# Altium PCB PCB1.PcbDoc (part 1 of 4) (continued)
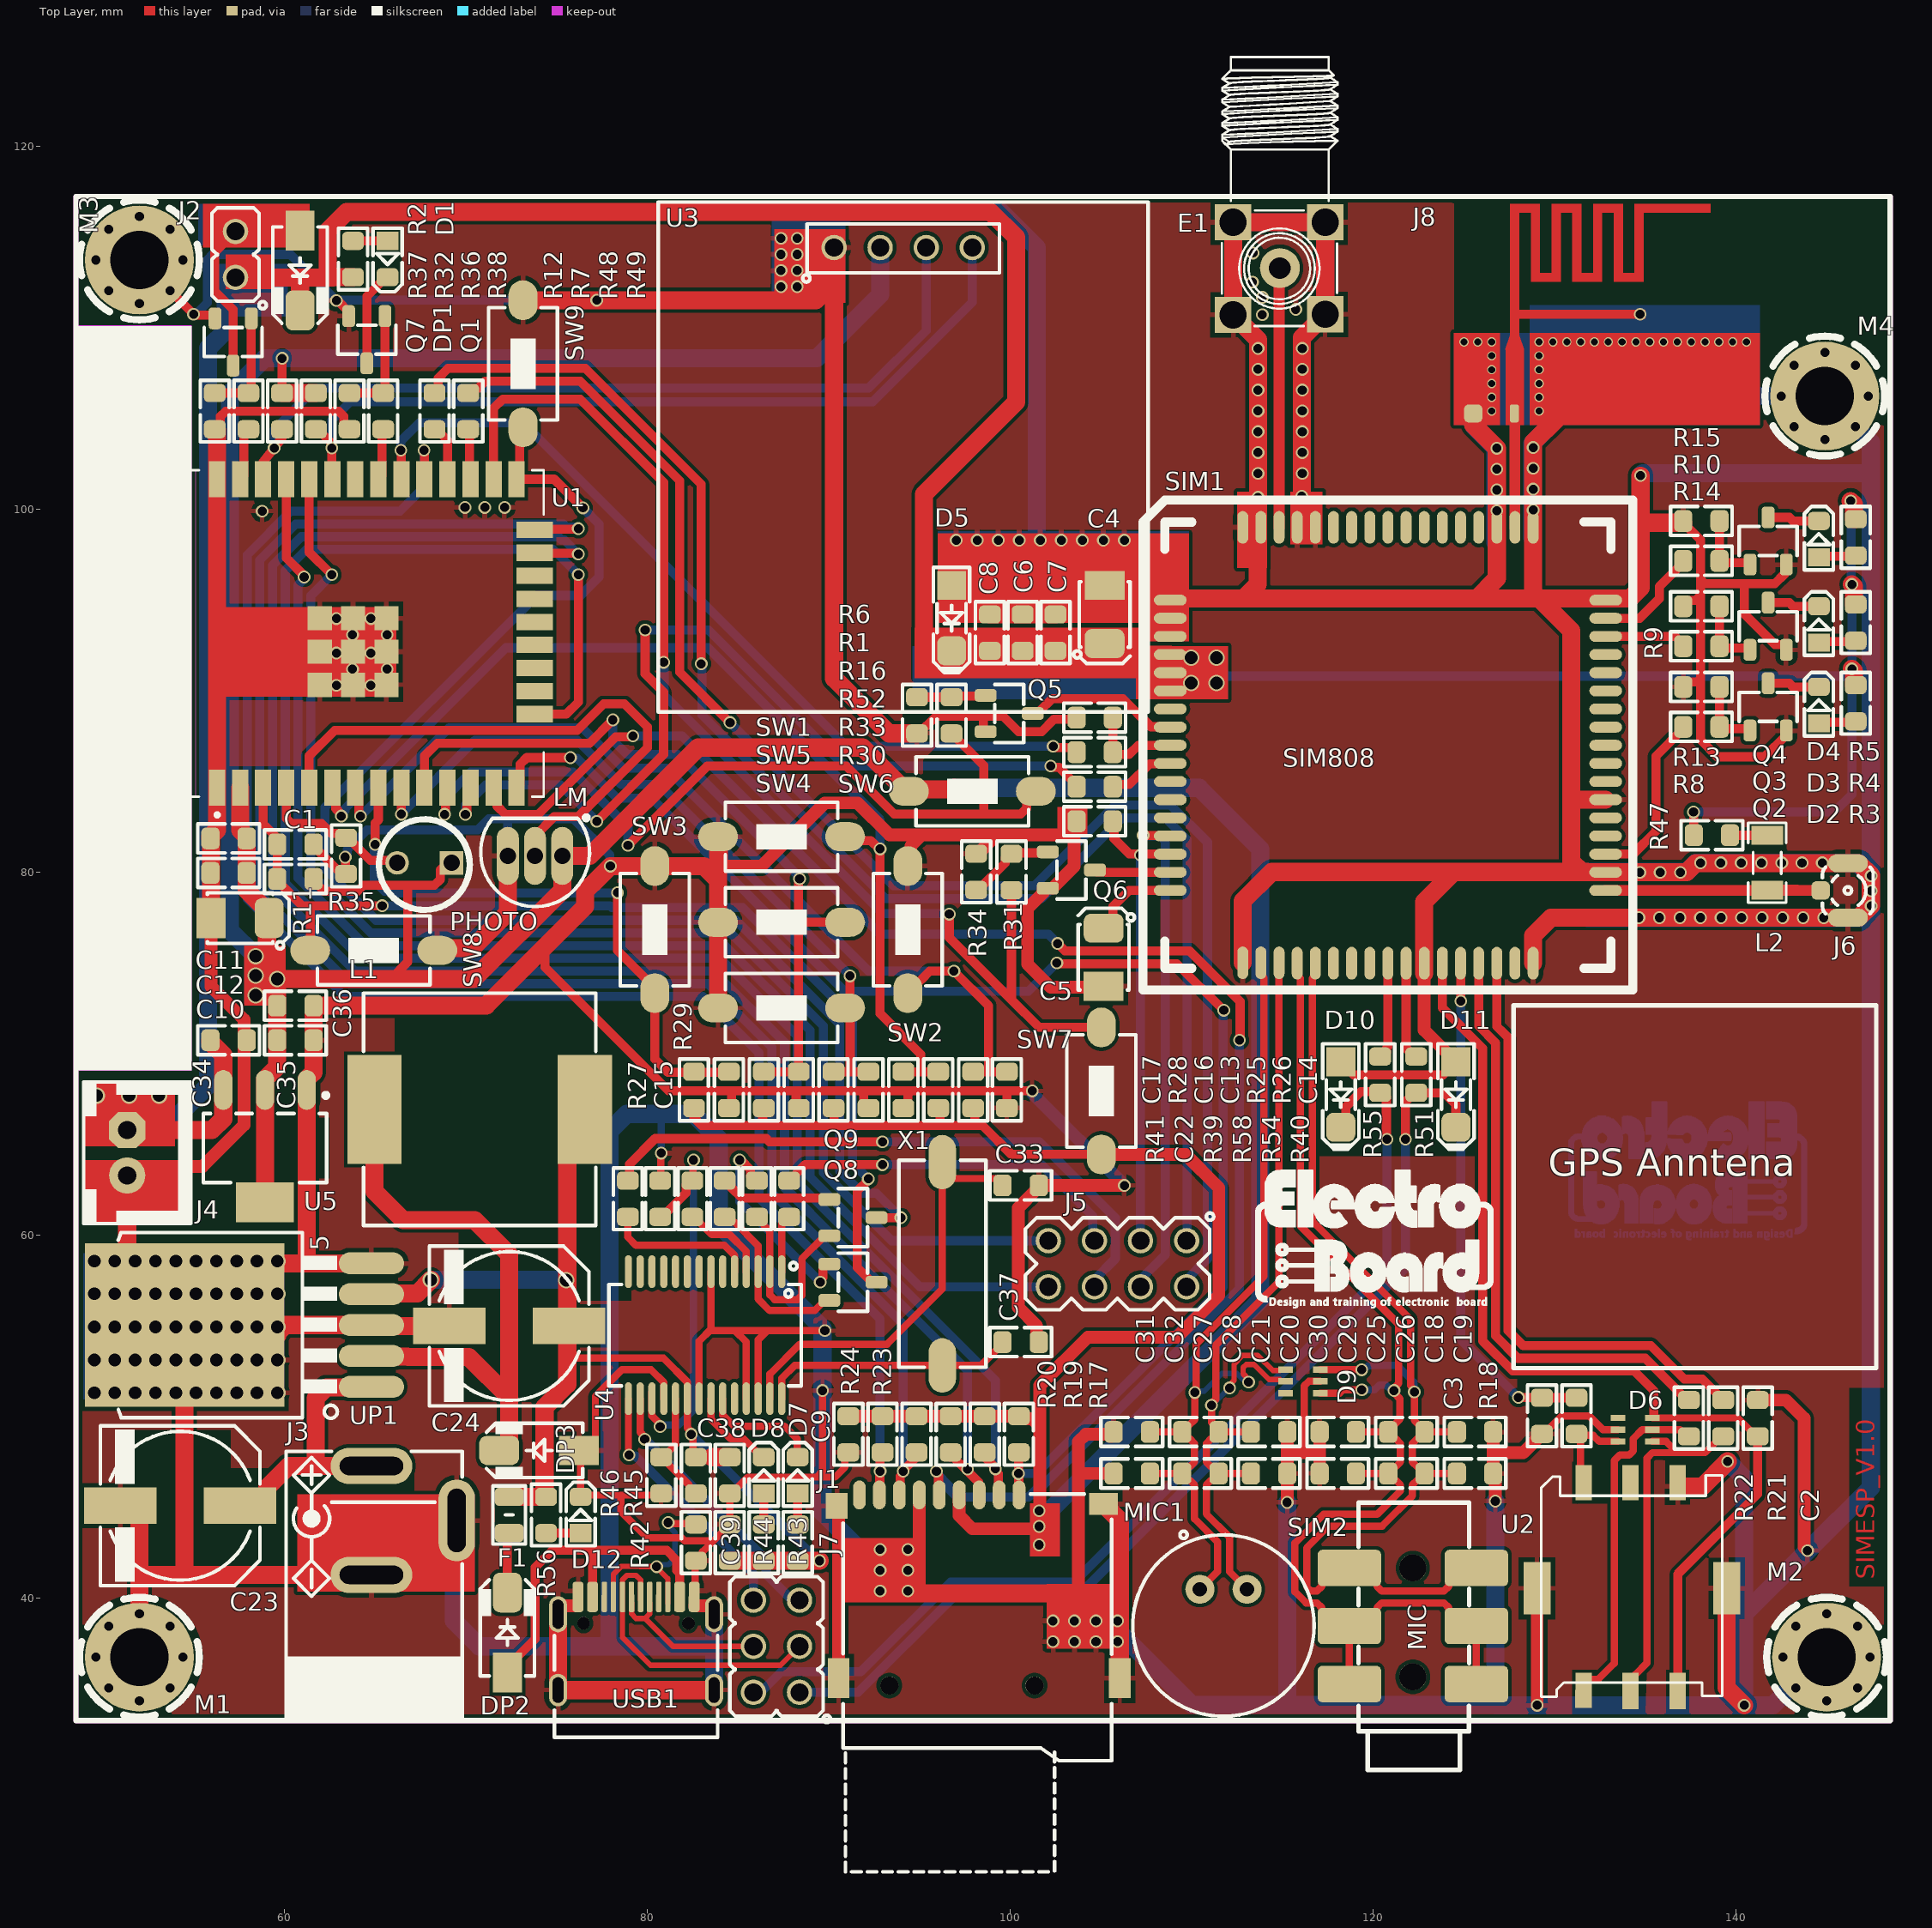
[diagram p0: Top Layer view]
## Footprints (in the part's own frame and the unit in brackets; to place one, negate y for a bottom-side part, rotate by r counter-clockwise, add the part's x,y. Pads: shape width x height; smd on the part's side, far side on the other; paste and mask are expansions set on the pad)
2.4Ghz [mm]
  rrect50% 0.5x1 smd mask+0.102: 1(3.327,0.635)
  rrect50% 1x1 smd mask+0.102: 2(1.067,0.635)
  Top Layer region: 2.845,0 3.861,0 3.861,4.191 2.845,4.191
  Top Layer region: 0,0 2.54,0 2.54,5.08 0,5.08
  Top Layer region: 9.957,11.684 14.148,11.684 14.148,12.192 9.957,12.192
  Top Layer region: 9.957,7.874 10.465,7.874 10.465,12.192 9.957,12.192
  Top Layer region: 8.814,7.874 10.465,7.874 10.465,8.382 8.814,8.382
  Top Layer region: 8.814,7.874 9.322,7.874 9.322,12.192 8.814,12.192
  Top Layer region: 7.671,11.684 9.322,11.684 9.322,12.192 7.671,12.192
  Top Layer region: 7.671,7.874 8.179,7.874 8.179,12.192 7.671,12.192
  Top Layer region: 6.528,7.874 8.179,7.874 8.179,8.382 6.528,8.382
  Top Layer region: 6.528,7.874 7.036,7.874 7.036,12.192 6.528,12.192
  Top Layer region: 5.385,11.684 7.036,11.684 7.036,12.192 5.385,12.192
  Top Layer region: 5.385,7.874 5.893,7.874 5.893,12.192 5.385,12.192
  Top Layer region: 4.242,7.874 5.893,7.874 5.893,8.382 4.242,8.382
  Top Layer region: 4.242,7.874 4.75,7.874 4.75,12.192 4.242,12.192
  Top Layer region: 3.099,11.684 4.75,11.684 4.75,12.192 3.099,12.192
  Top Layer region: 3.099,4.953 3.607,4.953 3.607,12.065 3.099,12.065
  Top Layer region: 4.166,0 16.866,0 16.866,5.08 4.166,5.08
  Top Layer region: 3.099,5.842 10.566,5.842 10.566,6.35 3.099,6.35
  Top Layer region: 2.845,4.166 2.845,4.191 3.099,4.953 3.099,5.08 3.607,5.08 3.607,4.953 3.861,4.191 3.861,4.166
  Top Layer pour cut-out: 0,0 16.866,0 16.866,12.192 16.866,12.192 0,12.192
  Bottom Layer region: 4.166,5.029 16.866,5.029 16.866,6.604 4.166,6.604
  Bottom Layer region: 0,0 16.866,0 16.866,5.08 0,5.08
  Bottom Layer pour cut-out: 0,0 16.866,0 16.866,12.192 16.866,12.192 0,12.192
430X270D [mm]
  rect 2.2x1.6 smd: 1(-2.2,0)
  rrect50% 2.2x1.6 smd: 2(2.2,0)
  silkscreen extent -2.4,-1.5 2.9,1.5, body extent -2.75,-1.4 2.75,1.4, height 2.6
AUDIO_JACK2 [mm]
  rrect25% 2x3.5 smd: 2(-3.2,3.5) 2(-3.2,-3.5) 3(0,3.5) 3(0,-3.5) 4(3.2,3.5) 4(3.2,-3.5)
  round 1.5 hole 1.5 unplated: MOUNT(-2.8,0) MOUNT(3.2,0)
  silkscreen extent -7.93,-3.1 6.8,3, body extent -7.77,-3.1 6.8,3, height 5
C0805#1 [mm]
  rrect50% 1x1.2 smd mask+0.075: 1(-1,0) 2(1,0)
  Top Layer pour cut-out: -0.5,0.8 0.5,0.8 0.5,-0.8 -0.5,-0.8
  silkscreen extent -1.7,-0.8 1.7,0.8, body extent -1,-0.62 1,0.63, height 1
C0805#2 [mm] "CHIP Capacitor, 2.0X1.3mm, 0805"
  rrect50% 1x1.2 smd paste-5 mask+0.075: 1(-1,0) 2(1,0)
  Top Layer pour cut-out: -0.5,0.8 0.5,0.8 0.5,-0.8 -0.5,-0.8
  silkscreen extent -1.7,-0.8 1.7,0.8, body extent -1,-0.62 1,0.63, height 1
C_EL_8 [mm]
  rect 4x2 smd: 1(-3.3,0) 2(3.3,0)
  Top Layer pour cut-out: 2.794,4.191 2.794,-4.191 -2.794,-4.191 -2.794,4.191
  silkscreen extent -4.4,-4.4 4.4,4.4, body extent -4.9,-4.25 4.8,4.25, height 10.3
C_TN_3528 [mm]
  rrect50% 1.6x2.2 smd mask+0.1: 1(-1.6,0)
  rect 1.6x2.2 smd mask+0.1: 2(1.6,0)
  Top Layer pour cut-out: -0.889,1.4 -0.889,-1.4 0.889,-1.4 0.889,1.4
  silkscreen extent -2.7,-1.4 1.8,1.7, body extent -1.85,-1.46 1.85,1.47, height 2.03
D2PAK_5 [mm] "TO-263-5L, D2PAK-5, DDPAK, FMG170_5_S1000"
  oval 1.2x3.6 smd: 1(-3.404,0) 2(-1.702,0) 3(0,0) 4(1.702,0) 5(3.404,0)
  rect 9x11 smd paste-6: 6(0,10.3)
  silkscreen extent -5.14,1.88 5.1,13.96, body extent -5.08,-0.84 5.08,13.39, height 4.87
D_SOD80 [mm]
  rect 1.6x1.6 smd paste-0.1: 1(-1.8,0)
  rrect50% 1.6x1.6 smd paste-0.1: 2(1.8,0)
  Top Layer pour cut-out: -1.016,1.016 1.016,1.016 1.016,-1.016 -1.016,-1.016
  silkscreen extent -2.8,-1 3,1, body extent -1.85,-0.8 1.85,0.8, height 2
F0805 [mm] "FUSE FAST 500mA, 0805, 2012, 2.0X1.3mm"
  rrect50% 1x1.6 smd paste-0.1 mask+0.075: 1(-1,0) 2(1,0)
  Top Layer pour cut-out: -0.5,0.8 0.5,0.8 0.5,-0.8 -0.5,-0.8
  silkscreen extent -1.6,-0.9 1.6,0.9, body extent -1.1,-0.75 1.1,0.75, height 1.24
HDR_M_1X2 [mm] "Connector; Header; 2 Position"
  round 1.4 / inner round 1.4 / far side oval 1.4x2.2 hole 1 mask+0.1: 1(-1.27,0) 2(1.27,0)
  silkscreen extent -3,-1.7 2.57,1.3, body extent -2.54,-1.25 2.44,1.25, height 8.72
HDR_M_2X3 [mm] "Connector; Header; 3x2 Position"
  round 1.4 / inner round 1.4 / far side oval 1.4x2.2 hole 1 mask+0.1: 1(-2.54,-1.27) 2(-2.54,1.27) 3(0,-1.27) 4(0,1.27) 5(2.54,-1.27) 6(2.54,1.27)
  silkscreen extent -4.2,-2.97 3.84,2.57, body extent -3.81,-2.6 3.81,2.48, height 8.38
HDR_M_2X4 [mm] "Male Header 2X04 with 2.54 mm Pitch"
  round 1.4 / inner round 1.4 / far side oval 1.4x2.2 hole 1 mask+0.1: 1(-3.81,-1.27) 2(-3.81,1.27) 3(-1.27,-1.27) 4(-1.27,1.27) 5(1.27,-1.27) 6(1.27,1.27) 7(3.81,-1.27) 8(3.81,1.27)
  silkscreen extent -5.3,-2.8 5.08,2.54, body extent -5.08,-2.49 5.08,2.49, height 8.54
IND1206 [mm]
  rect 1.04x1.74 smd: 1(-1.51,0) 2(1.51,0)
  silkscreen extent -2.2,-1.05 2.2,1.05, body extent -1.65,-0.85 1.65,0.85, height 0.94
JAC_PWR2 [mm]
  oval 4.5x2 hole 1 slot 3.5 at 0 deg: 1(0,0) 2(0,6)
  oval 2x4.5 hole 1 slot 3.5 at 90 deg: 3(-4.7,3)
  silkscreen extent -5,-0.8 4.7,14, body extent -4.9,-0.65 4.5,13.85, height 10.8
L_12 [mm]
  rect 3x6 smd paste-4: 1(-5.8,0) 2(5.8,0)
  Top Layer pour cut-out: -4.699,6.096 4.953,6.096 4.953,-6.096 -4.699,-6.096
  silkscreen extent -6.4,-6.4 6.4,6.4, body extent -6.16,-6.15 6.16,6.15, height 8.16
LED0805RED [mm]
  rect 1x1.2 smd paste-2 mask+0.075: 1(-1,0)
  rrect50% 1x1.2 smd paste-2 mask+0.075: 2(1,0)
  Top Layer pour cut-out: -0.5,0.8 0.5,0.8 0.5,-0.8 -0.5,-0.8
  silkscreen extent -1.7,-0.8 1.8,0.8, body extent -1,-0.63 1,0.63, height 0.7
LM1117_SMD_SOT-223_3.3V [mm]
  oval 2.2x1 smd: 1(2.848,-2.15) 2(2.848,0.15) 3(2.848,2.45)
  rect 2.2x3.2 smd: 2(-3.352,0.15)
  Top Layer pour cut-out: 1.348,-3.406 -2.052,-3.406 -2.052,3.706 1.348,3.706
  silkscreen extent -2.25,-3.33 2.67,3.55, body extent -3.85,-3.1 3.15,3.4, height 1.7
MIC_C9 [mm] "MIC, WM52BM, 9.7mm"
  round 1.6 hole 0.8: 1(2,1.3) 2(2,-1.3)
  silkscreen extent -5,-5 5.2,5, body extent -4.85,-4.85 4.85,4.85, height 5.15
MODULE_ESP32-WROOM-32D [mm]
  rect 2x0.9 smd: 1(-8.5,5.26) 2(-8.5,3.99) 3(-8.5,2.72) 4(-8.5,1.45) 5(-8.5,0.18) 6(-8.5,-1.09) 7(-8.5,-2.36) 8(-8.5,-3.63) 9(-8.5,-4.9) 10(-8.5,-6.17) 11(-8.5,-7.44) 12(-8.5,-8.71) 13(-8.5,-9.98) 14(-8.5,-11.25) 25(8.5,-11.25) 26(8.5,-9.98) 27(8.5,-8.71) 28(8.5,-7.44) 29(8.5,-6.17) 30(8.5,-4.9) 31(8.5,-3.63) 32(8.5,-2.36) 33(8.5,-1.09) 34(8.5,0.18) 35(8.5,1.45) 36(8.5,2.72) 37(8.5,3.99) 38(8.5,5.26)
  rect 0.9x2 smd: 16(-4.445,-12.25) 17(-3.175,-12.25) 18(-1.905,-12.25) 19(-0.635,-12.25) 20(0.635,-12.25) 21(1.905,-12.25) 22(3.175,-12.25) 23(4.445,-12.25) 24(5.715,-12.25)
  rect 1.33x1.33 smd: 39_1(-2.835,-0.405) 39_2(-1,-0.405) 39_3(0.835,-0.405) 39_4(-2.835,-2.24) 39_5(-1,-2.24) 39_6(0.835,-2.24) 39_7(-2.835,-4.075) 39_8(-1,-4.075) 39_9(0.835,-4.075)
  Keep-Out Layer region: 9,6.45 -9,6.45 -9,12.75 9,12.75
  Keep-Out Layer region: 9,6.45 -9,6.45 -9,12.75 9,12.75
  silkscreen extent -10.1,-12.75 9,12.75, body extent -9,-12.7 9,12.8, height 3.25
OLED_SSD1306_64_I2C [mm] "OLED SS1306 Breakout, 128X64, I2C"
  round 1.4 / inner round 1.4 / far side oval 1.4x2.2 hole 1 mask+0.1: 1(-3.81,0) 2(-1.27,0) 3(1.27,0) 4(3.81,0)
  silkscreen extent -13.5,-25.6 13.5,2.5, body extent -13.35,-25.5 13.35,2.36, height 13.97
PHOTOSEL_3mm [mm]
  rect 1.3x1.3 / inner rect 1.3x1.3 / far side rect 1.4x2.2 hole 0.9: 1(0,0)
  round 1.3 / inner round 1.3 / far side oval 1.4x2.2 hole 0.9 mask+0.102: 2(3,0)
  silkscreen extent -1,-2.4 4,2.6, body extent -1.1,-2.19 4.11,2.11, height 2.24
R0805 [mm]
  rrect50% 1x1.2 smd paste-5 mask+0.075: 1(-1,0) 2(1,0)
  Top Layer pour cut-out: -0.5,0.8 0.5,0.8 0.5,-0.8 -0.5,-0.8
  silkscreen extent -1.7,-0.8 1.7,0.8, body extent -1.15,-0.67 1.15,0.68, height 0.76
SCMH_M3 [mm] "SCREW mouting, M3, 3.0mm diameter and 6.0mm PanHead"
  round 6 / inner round 3.5 / far side round 6 hole 3.2 mask+0.1: 1(0,0)
  Top Layer pour cut-out: 0,3.5 -1.339,3.234 -2.475,2.475 -3.234,1.339 -3.5,0 -3.5,0 -3.234,-1.339 -2.475,-2.475 -1.339,-3.234 0,-3.5 0,-3.5 1.75,-3.031 3.031,-1.75 3.5,0 3.5,0 3.234,1.339 2.475,2.475 1.339,3.234 0,3.5
  Bottom Layer pour cut-out: 0,3.5 -1.339,3.234 -2.475,2.475 -3.234,1.339 -3.5,0 -3.5,0 -3.234,-1.339 -2.475,-2.475 -1.339,-3.234 0,-3.5 0,-3.5 1.75,-3.031 3.031,-1.75 3.5,0 3.5,0 3.234,1.339 2.475,2.475 1.339,3.234 0,3.5
  silkscreen extent -3.3,-3.3 3.3,3.3, body extent -2.92,-2.92 2.93,2.93, height 1.8
SDMICRO_AT [mm] "SDMICRO exist on Iran, Attend 112J-TDAR-R01 push-push"
  oval 0.7x1.6 smd: 1(-2.2,-5.25) 2(-1.1,-5.25) 3(0,-5.25) 4(1.1,-5.25) 5(2.2,-5.25) 6(3.3,-5.25) 7(4.4,-5.25) 8(5.5,-5.25) 9(6.6,-5.25)
  rect 1.2x1.4 smd: SH1(7.85,-4.65)
  rect 1.2x2.2 smd: SH2(7.75,4.85) SH3(-7.75,4.85)
  rect 1.6x1.2 smd: SH4(-6.85,-4.75)
  round 1 hole 1 unplated mask+0.102: ""(-3.05,5.25) ""(4.95,5.25)
  silkscreen extent -7.3,-5.3 7.5,15.52, body extent -8,-5.7 8.1,13.82, height 1.85
sim808_fp [mm]
  oval 1.8x0.6 smd: 1(-12.003,8) 2(-12.003,7) 3(-12.003,6) 4(-12.003,5) 5(-12.003,4) 6(-12.003,3) 7(-12.003,2) 8(-12.003,1) 9(-12.003,0) 10(-12.003,-1) 11(-12.003,-2) 12(-12.003,-3) 13(-12.003,-4) 14(-12.003,-5) 15(-12.003,-6) 16(-12.003,-7) 17(-12.003,-8) 35(11.997,-8) 36(11.997,-7) 37(11.997,-6) 38(11.997,-5) 39(11.997,-4) 40(11.997,-3) 41(12.003,-2) 42(12.003,-1) 43(12.003,0) 44(12.003,1) 45(12.003,2) 46(12.003,3) 47(12.003,4) 48(12.003,5) 49(12.003,6) 50(12.003,7) 51(12.003,8)
  oval 0.6x1.8 smd: 18(-8.003,-11.991) 19(-7.003,-11.991) 20(-6.003,-11.991) 21(-5.003,-12.01) 22(-4.003,-12.01) 23(-3.002,-12.01) 24(-2.002,-12.01) 25(-1.002,-12.01) 26(-0.002,-12.01) 27(0.998,-12.01) 28(1.999,-12.01) 29(2.999,-12.01) 30(3.999,-12.01) 31(4.999,-12.01) 32(6,-12.01) 33(7,-12.01) 34(8,-12.01) 52(8,12.01) 53(7,12.01) 54(6,12.01) 55(4.999,12.01) 56(3.999,12.01) 57(2.999,12.01) 58(1.999,12.01) 59(0.998,12.01) 60(-0.002,12.01) 61(-1.002,12.009) 62(-2.002,12.009) 63(-3.002,12.009) 64(-4.003,12.009) 65(-5.003,12.009) 66(-6.003,12.009) 67(-7.003,12.009) 68(-8.003,12.009)
  silkscreen extent -13.5,-13.49 13.5,13.51, body extent -12,-12 12,12, height 2.9
"SIM CARD 6 PIN nano" [mm]
  rect 0.9x1.5 smd: 1(-2.15,5.012) 2(0.445,5.012) 3(3.041,5.012) 4(-2.15,-6.013) 5(0.445,-6.013) 6(3.041,-6.013)
  rect 1.5x2.9 smd: ""(-4.85,-0.405) ""(5.6,-0.405)
  silkscreen extent -4.6,-6.63 5.37,5.57, body extent -4.82,-6.7 5.58,5.6, height 1.35
SMA_Right [mm]
  round 2.2 hole 1.2: 1(0,0)
  rect 2x2 hole 1.5: 2(-2.525,2.5) 2(-2.525,-2.575) 2(2.55,2.5) 2(2.575,-2.575)
  silkscreen extent -11.63,-3.2 3.2,3.17, body extent -11.62,-3.27 3.27,3.22, height 10.58
SMF05C [mm]
  rect 0.35x0.8 smd paste-1 mask+0: 1(-0.005,-0.01) 2(0.645,-0.01) 3(1.295,-0.01) 4(1.295,1.89) 5(0.645,1.89) 6(-0.005,1.89)
  body extent -0.34,-0.11 1.66,1.99, height 1.08
SOG65_28_W [mm] "SOP, 28-Leads, Body 10.6x5.6mm (max), Pitch 0.65mm"
  oval 1.8x0.4 smd mask+0.075: 1(-3.5,4.225) 2(-3.5,3.575) 3(-3.5,2.925) 4(-3.5,2.275) 5(-3.5,1.625) 6(-3.5,0.975) 7(-3.5,0.325) 8(-3.5,-0.325) 9(-3.5,-0.975) 10(-3.5,-1.625) 11(-3.5,-2.275) 12(-3.5,-2.925) 13(-3.5,-3.575) 14(-3.5,-4.225) 15(3.5,-4.225) 16(3.5,-3.575) 17(3.5,-2.925) 18(3.5,-2.275) 19(3.5,-1.625) 20(3.5,-0.975) 21(3.5,-0.325) 22(3.5,0.325) 23(3.5,0.975) 24(3.5,1.625) 25(3.5,2.275) 26(3.5,2.925) 27(3.5,3.575) 28(3.5,4.225)
  silkscreen extent -4.01,-5.3 2.8,5.3, body extent -3.88,-5.17 3.88,5.16, height 2.16
SOT23_3 [mm]
  rrect50% 1.2x0.7 smd paste-0.05 mask+0.1: 1(-1.3,1) 2(-1.3,-1) 3(1.3,0)
  silkscreen extent -0.8,-1.6 0.8,1.6, body extent -1.32,-1.5 1.32,1.5, height 1.08
SWPBS_SPST_6X3X5 [mm]
  oval 2.2x1.6 smd mask+0.1: 1(-3.5,0) 2(3.5,0)
  silkscreen extent -3.1,-1.9 3.1,1.9, body extent -3.65,-1.75 3.65,1.75, height 5
TO-92B [mm]
  oval 1.2x3.2 hole 0.9: 1(-1.5,0) 2(0,0)
  oval 1.22x3.2 hole 0.9: 3(1.5,0)
  silkscreen extent -3,-2.23 2.99,2.79, body extent -2.34,-1 2.24,2.3, height 5.58
UFL [mm]
  rrect50% 1x1 smd: 1(0,-1.5)
  oval 1x2.2 smd: 2(-1.5,0) 3(1.5,0)
  silkscreen extent -1.28,-1.4 1.28,1.4, body extent -1.5,-1.55 1.5,1.55, height 1.25
USBC_SMD_16_USB4105 [mm]
  rrect50% 0.6x1 smd mask+0.075: A1B12(3.2,0) A4B9(2.4,0) B1A12(-3.2,0) B4A9(-2.4,0)
  rrect50% 0.3x1 smd mask+0.075: A5(1.25,0) A6(0.25,0) A7(-0.25,0) A8(-1.25,0) B5(-1.75,0) B6(-0.75,0) B7(0.75,0) B8(1.75,0)
  oval 1x1.8 hole 0.6 slot 1.4 at 90 deg: SH1(-4.3,4.8) SH2(4.3,4.8)
  oval 1x2 hole 0.6 slot 1.6 at 90 deg: SH3(-4.3,0.62) SH4(4.3,0.62)
  round 0.7 hole 0.7 unplated: ""(-2.89,1.12) ""(2.89,1.12)
  silkscreen extent -4.5,1.8 4.5,7.4, body extent -4.79,-0.3 4.79,7.41, height 3.26
XH_2 [mm] "PW10-xx-M, JST-BxB-XH-A pitch: 2.5mm"
  oct 2x2 hole 1: 1(-1.25,0)
  round 2 hole 1: 2(1.25,0)
  silkscreen extent -3.9,-2.4 3.9,3.5, body extent -3.75,-2.3 3.75,3.4, height 7
XTL_2_11X5 [mm] "SMD crystal resonator, ABL, ABLS, HC-49, HC49 11X4.5MM"
  oval 3x1.5 smd: 1(-5.6,0) 2(5.6,0)
  silkscreen extent -5.7,-2.4 5.7,2.4, body extent -6.4,-2.41 6.4,2.42, height 4.3

## Part data
C1 C2 C3 C6 C7 C8 C9 C11 C12 C13 C14 C15 C16 C17 C18 C19 C20 C21 C25 C26 C27 C28 C29 C30 C31 C32 C34 C35 C36: library part CAP_SMD_MLCC_0805, "CAP, MLCC, -F, -V, MATERIAL, -%, 0201", ASSEMBLY=ASSEMBLY, MANF=-, MANF_P#=MANF_PART#, PARAM="-, -%", PARAM2=-V, PRICE="100= 1$"
C4 C5 C10: library part CAP_SMD_TAN_10uF_16V, "CAP, SMD, TAN", MANF=AVX, MANF_P#=TCJT106M016R0200, PARAM="20%, 200mOhm, -55~105oC", PARAM2=16V, PRICE=1$
C22 C33 C37 C38 C39: library part CAP_SMD_MLCC, "CAP, MLCC, 1nF, 50V, C0G, 10%, 0402", ASSEMBLY=ASSEMBLY, DESC="CAP, MLCC, 1nF, 50V, C0G, 10%, 0402", MANF=Murata, MANF_P#=MANF_PART#, PARAM="C0G, 10%", PARAM2=50V, PRICE="100= 1$"
C23 C24: library part CAP_SMD_EL_330u25V, "CAP, SMDD, ELEC, 330uF, 25V", ASSEMBLY=ASSEMBLY, DESC=DESCRIPTION, DIST#=MOUSER, MANF=PANASONIC, MANF_P#=EEE-1EA331UP, PARAM=25V, PARAM2=20%, PRICE="10= 5$"
D1 D2 D3 D4 D7 D8 D12: library part LED_SMD_0805_RED, "LED, SMD, 0805, RED", ASSEMBLY=ASSEMBLY, DESC=DESCRIPTION, MANF=MANF, MANF_P#=MANF_PART#, PARAM2=2.2V, PRICE=36t@Javan
D5 D10 D11: library part DIODE_SMD_1N4148_SOD80, "DIODE, FAST SWTICHING, 0.3A, 0.5W", ASSEMBLY=ASSEMBLY, DESC=DESCRIPTION, MANF=MANF, MANF_P#=1N4148, PARAM=75V, PARAM2="300mA, 0.5W", PRICE=PRICE
D6 D9: "12.5V Clamp 8A _8/20Âµs_ Ipp Tvs Diode Surface Mount SC-88/SC70-6/SOT-363", Package="SOT-363 ON Semiconductor", Availability=Unavailable, MF="ON Semiconductor", MP=SMF05C, PRICE=None, SnapEDA_Link=https://www.snapeda.com/parts/SMF05C/ON%20Semiconductor/view-part/2782704/?ref=snap
DP1 DP2 DP3: library part 1N5819, "Schottkey Rectifiers", Data=16-12-2016, Designer="Abbas Basereh"
E1: "Generic Antenna", LatestRevisionDate=17-Jul-2002, LatestRevisionNote="Re-released for DXP Platform.", PackageReference=PIN1, Published=24-Mar-1999, Publisher="Altium Limited"
F1: library part FUSE_500mA_0805_FAST, "Fuse, 500mA, 32VDC, 0805, SMD, Fast Acting", MANF=MANF, MANF_P#=MANF_PART#, PARAM="500mA; 32VDC; fast acting", PARAM2="0.25 Ohm DC Cold Resistance"
J1: library part SOCKET_SDMICRO_AT, "SD MICRO exist in Iran, Attend 112J-TDAR-R01", MANF=Attend, MANF_P#=112J-TDAR-R01, PARAM=push-push
J2: library part HDR_M_1X2, "CONN, HEADER, Male, pitch: 2.54mm, 2POS"
J3: library part CONN_PWR_JACKR2, "CONN, PWR JACK DC, PLUG DIAM 2.0MM RA THD", MANF="CUI STACK", MANF_P#="PJ-202A, PJ-002AH, PJ-102AH, KLDX-0202"
J4: library part XH_2, "JST-XH pitch: 2.5mm"
J5: library part HDR_M_2X4, "CONN, HEADER, Male, pitch: 2.54mm, 8POS", MANF=MANF, MANF_P#=MANF_PART#
J6: library part CONN_RF_UFL, "CONN, RF, U.FL, STRAIGHT, Ultra Miniature Coaxial", ASSEMBLY=ASSEMBLY, DESC=DESCRIPTION, DIST#="DIGIKEY, MOUSER", MANF="Linx, Hirose, Cinch", MANF_P#="CONUFL001-SMD, U.FL-R-SMT-1(10), 128-0711-201", PARAM="50Ohm, 6GHz", PARAM2=GOLD, PRICE=0.9$
J7: library part HDR_M_2X3, "CONN, HEADER, Male, pitch: 2.54mm, 6POS", MANF=MANF, MANF_P#=MANF_PART#
J8: library part "BT & Wifi Anntena"
L1: library part INDPWR_SMD, "INDUCTOR, POWER, SMD"
L2: library part "INDUCTOR SMD PACKAGE", "TOTAL INDUCTOR SMD PACK", Data=2017-3-10, Desc.="INDUCTOR  SMD TOTAL PACKAGES", Designer="Abbas Basereh"
M1 M2 M3 M4: library part SCMH_M3, "SCREW mouting, M3, 3.0mm diameter and 6.0mm PanHead", ASSEMBLY=DNP
MIC1: library part MIC_WM-52, "MICROPHONE OMNI", MANF_P#=WM52BM, PRICE=PRICE
Q1 Q2 Q3 Q4 Q5 Q6 Q7 Q8 Q9: library part NPN_S8050_SOT23, "BJT, NPN, 25v, 0.5A, SMD, SOT23", MANF=-, MANF_P#=S8050, PARAM="25v, 0.5A", PARAM2=300mW
R1 R2 R3 R4 R5 R6 R7 R8 R9 R10 R11 R12 R13 R14 R15 R16 R17 R18 R19 R20 R21 R22 R23 R24 R25 R26 R27 R28 R29 R30 R31 R32 R33 R34 R35 R36 R37 R38 R39 R40 R41 R42 R43 R44 R45 R46 R47 R48 R49 R51 R52 R54 R55 R56 R58: library part RES_SMD_0805, "RESISTOR, SMD", ASSEMBLY=ASSEMBLY, DESC=DESCRIPTION, DIST#=MOUSER, MANF=-, MANF_P#=-, PARAM=-W, PARAM2=1%, PRICE="100= 0.5$"
SIM2: library part AUDIO_NEW
SW1 SW2 SW3 SW4 SW5 SW6 SW7 SW8 SW9: library part SWPBS_SPST_6X3X5, "SWITCH, PUSH BUTTON, TACTILE, SMD, SPST, 6X3.5X5mm", ASSEMBLY=ASSEMBLY, DESC=DESCRIPTION, MANF=ALPS, MANF_P#=SKQMBBE010, PARAM=PARAM, PRICE=PRICE
U1: "Bluetooth, WiFi 802.11b/g/n, Bluetooth v4.2 + EDR, Class 1, 2 and 3 Transceiver Module 2.4GHz ~ 2.5GHz Integrated, Trace Surface Mount", Package="Module Espressif Systems", Availability=Unavailable, MF="Espressif Systems", MP=ESP32-WROOM-32D, PRICE=None, SnapEDA_Link=https://www.snapeda.com/parts/ESP32-WROOM-32D/Espressif%20Systems/view-part/2768115/?ref=snap
U2: library part "SIMCARD 6 PIN", Publisher="Bastam Beyrami"
U3: library part OLED_SSD1306_64_I2C, "OLED, SSD1306, 0.96\", 128X64, BREAKOUT I2C", MANF=-, MANF_P#=OLED_SSD1306_I2C, PARAM="2 Colors, 0.96\", 128X64", PARAM2="3.3/5VCC, -20~70oC"
U4: library part FT232RL_SSOP28, "USB-UART, Asynchronous Serial Data Transfer Chip, SSOP-28", MANF=FTDI, MANF_P#=FT232RL, PARAM2="3.3~5.25Vcc, 1.8~5.25VIO"
U5: library part LM1117_SMD_SOT-223
UP1: library part VREG_LM2576S-5.0, "REG, Switching, Buck, 3A, 5V, 50KHz, TO-220", ASSEMBLY=ASSEMBLY, DESC="REG, Switching, Buck, 3A, ADJ, 50KHz, TO-220", MANF="TI, ON, HTC, MICROCHIP", MANF_P#=LM2576S-5.0, PARAM="3A, 5V", PARAM2="50KHz, 40VIN", PRICE=PRICE
USB1: library part CONN_USBC_SMD_16_USB4105, "CONN, USB, Type C, USB 2.0, Right-Angle, SMD", MANF=GCT, MANF_P#=USB4105-GF-A, PARAM=5A, PRICE=1.5$
X1: library part XTL_2_HC49_8MHz_SMD, "Crystal MOST POPULAR ABL HC49 PACKAGE", MANF=ABRACON, MANF_P#=ABLS-8.000MHZ-B4-T, PARAM="8MHz, 18pF, 30PPM, -20~70oC", PRICE=0.3$

## Free pads (board coordinates)
  rrect50% 0.59x1 smd mask+0.075: 1(76.185,40.397) 1(76.985,40.397) 1(81.785,40.397) 1(82.585,40.397)
  rrect50% 0.29x1 smd mask+0.075: 1(77.635,40.397) 1(78.135,40.397) 1(78.632,40.397) 1(79.132,40.397) 1(79.632,40.397) 1(80.132,40.397) 1(80.635,40.397) 1(81.135,40.397)
  rect 0.9x1 smd mask+0.102: 1(131.604,34.442) 1(131.605,46.822) 1(134.2,34.368) 1(134.2,46.822) 1(136.795,34.368) 1(136.795,46.822)

## Via types
v1: diameter 0.7, hole 0.5, Top Layer to Bottom Layer, tented both sides, 196 vias
v2: diameter 0.9, hole 0.7, Top Layer to Bottom Layer, tented both sides, 63 vias
v3: diameter 0.8, hole 0.5, Top Layer to Bottom Layer, 32 vias
v4: diameter 0.508, hole 0.381, Top Layer to Bottom Layer, tented both sides, 29 vias

## Nets (pads, with @x,y where several pads share a name; then routed paths per layer and width w, separated by ;. In a path a pad name is that pad's centre, name@x,y a point inside that pad or via, vN(x,y) a via of type N, cw(c..) or ccw(c..) an arc to the next point about the centre after c; other vN are vias at no path point)
1PPS: R8.1 SIM1.37 | length 9.7
  Top Layer w0.5: SIM1.37@132.824,80.995 134.335,80.995 135.592,82.252 135.592,86.404 137.1,87.911 R8.1@137.1,88.011
3V3: C9.1 C10.1 C11.1 C12.1 C35.2 C36.2 J1.4 LM.1 PHOTO.1 R11.1 R17.2 R19.2 R20.2 R23.2 R24.2 R25.2 R26.2 R27.2 R28.2 R29.2 R36.1 R38.2 SW6.1 SW7.1 U1.2 U3.2 U5.2 | length 298.8
  Top Layer w0.5: R36.1@59.874,106.41 v1(59.874,108.322) ; R11.1@61.604,79.629 61.604,79.529 62.184,78.949 64.038,78.949 64.368,79.279 66.802,79.279 ; 65.853,74.108 66.802,75.057 66.802,79.279 ; PHOTO.1@68.986,80.518 68.586,80.118 68.586,79.599 68.267,79.279 66.802,79.279 ; 82.575,66.458 82.993,66.04 86.36,66.04 ; R29.2@86.422,67 86.36,66.938 86.36,66.04 ; R28.2@90.269,67 90.297,66.972 90.297,66.04 ; R25.2@96.038,67 96.139,66.899 96.139,66.04 ; R26.2@97.962,67 98.044,66.918 98.044,66.04 ; SW7.1@105.029,64.445 100.075,64.445 98.48,66.04 98.044,66.04 ; 86.36,66.04 90.297,66.04 ; 90.297,66.04 96.139,66.04 ; 96.139,66.04 98.044,66.04
  Top Layer w0.7: C9.1@91.084,50.022 R24.2@92.964,50.022 R23.2@94.844,50.022 R20.2@96.723,50.022 R19.2@98.603,50.022 R17.2@100.482,50.022 ; J1.4@97.195,45.679 97.195,44.537 97.917,43.815 101.473,43.815 v1@101.524,43.866 ; R17.2@100.732,50.172 100.732,49.872 101.222,49.872 101.632,49.462 ; v1(101.6,44.806) 101.6,44.069 101.917,43.752 ; v1@101.632,44.806 101.632,49.462 ; SW7.1@105.029,64.445 109.672,64.445 111.506,62.611 111.506,56.681 109.201,54.375 104.286,54.375 101.632,51.721 101.632,49.462
  Top Layer w1: U1.2@57.556,84.658 57.556,82.329 57.921,81.964 C11.1@57.921,81.864 C12.1@57.921,79.959 57.921,79.005 59.156,77.77 C10.1@59.156,77.47 59.042,77.356 59.042,74.409 58.928,74.295 ; U5.2@58.93,61.799 U5.2@58.93,67.999 58.93,68.599 59.604,69.273 C35.2@59.604,70.739 C36.2@59.604,72.644 v2@59.604,73.944 ; 59.042,74.67 v2(59.604,74.108) 65.853,74.108 70.425,74.108 75.312,78.995 LM.1@75.312,80.899 76.835,80.899 82.804,86.868 91.866,86.868 93.817,84.917 94.279,84.455 SW6.1@94.417,84.455 94.532,84.57 96.828,84.57 v1(96.901,84.643) ; R36.1@59.874,106.41 R38.2@61.732,106.41
  Bottom Layer w1: v2@58.385,75.339 58.385,75.401 56.996,76.79 56.996,106.399 58.919,108.322 89.332,108.322 92.837,111.827 U3.2@92.837,114.427 ; v2@58.448,75.347 58.448,75.258 v2@59.598,74.108 ; v1(96.901,84.643) 110.429,84.643 113.792,81.28 113.792,56.413 102.184,44.806 v1(101.6,44.806) ; v1@101.6,44.005 101.917,43.688
  other v1: 101.6,42.926 101.6,43.942
  other v2: 58.42,73.215 58.42,74.295 58.42,75.374
5V: C24.1 C38.2 C39.2 F1.1 L1.2 R43.1 R44.1 R45.2 R56.1 U4.20 UP1.4 | length 62.7
  Top Layer w0.4: 75.588,53.213 80.899,53.213 82.21,51.902 U4.20@82.21,50.983 82.21,49.37 82.423,49.157 v1(82.423,49.022) 82.519,48.926 82.519,47.921 R45.2@82.677,47.763
  Top Layer w1: UP1.4@64.795,56.744 64.834,56.782 67.323,56.782 v2(68.072,57.531) ; F1.1@72.39,45.577 R56.1@74.339,45.577 ; R56.1@74.422,45.577 R56.1@74.339,45.577 ; L1.2@76.564,66.929 75.588,65.953 75.588,53.213 75.588,51.773 74.339,50.523 R56.1@74.339,45.577 ; 83.577,47.763 C38.2@84.548,47.763 ; C39.2@84.548,42.053 R44.1@86.419,42.053 v1(89.495,42.053)
  Bottom Layer w0.5: v1(82.423,49.022) 89.392,42.053 v1(89.495,42.053)
  Bottom Layer w1: v2(68.072,57.531) v2@75.523,57.531
  other v2: 75.536,57.518
\SIM_RX: J5.3 R52.2 SIM1.15 | length 25.7
  Top Layer w0.5: R52.2@105.613,83.058 R52.2@105.676,82.995 ; R52.2@105.727,82.741 105.727,81.852 106.565,81.014 107.114,81.014 v1(107.188,80.94) ; v1@107.174,80.995 SIM1.15@108.824,80.995
  Bottom Layer w0.5: J5.3@107.188,59.69 v1(107.188,80.94)
Alarm: R7.1 U1.31 | length 2.9
  Top Layer w0.5: U1.31@65.176,101.658 65.376,101.858 65.376,104.16 65.446,104.23 R7.1@65.446,104.41
BT_ANT: J8.1 SIM1.53 | length 6.3
  Top Layer w0.6: J8.1@127.787,105.283 127.828,105.243 SIM1.53@127.828,99.005
  other v1: 134.722,110.744
CC: pad.1@78.135,40.397 pad.1@81.135,40.397 R42.2 USB1.A5 USB1.B5 | length 10.9
  Top Layer w0.3: pad.1@78.132,40.155 78.132,41.302 78.577,41.747 79.587,41.747 79.606,41.727 v1(80.518,41.727) 80.518,41.683 81.132,41.069 USB1.B5@81.132,39.725
  Top Layer w0.4: v1(81.153,44.157) 81.205,44.105 82.625,44.105 R42.2@82.677,44.053
  Bottom Layer w0.3: v1(80.518,41.727) 80.633,41.842 81.18,41.842 81.534,42.196 81.534,43.614 81.153,43.995 v1(81.153,44.157)
D+: J7.4 pad.1@79.132,40.397 pad.1@80.132,40.397 USB1.A6 USB1.B6 | length 9
  Top Layer w0.3: USB1.A6@79.132,39.725 79.132,39.124 79.381,38.875 79.883,38.875 ; USB1.B6@80.132,39.725 80.132,39.124 79.883,38.875 ; J7.4@85.852,37.338 81.42,37.338 79.883,38.875
D-: J7.3 pad.1@78.632,40.397 pad.1@79.632,40.397 USB1.A7 USB1.B7 | length 16.3
  Top Layer w0.3: USB1.A7@79.632,39.878 79.632,40.326 79.629,40.329 79.629,40.997 79.38,41.247 78.884,41.247 78.632,40.995 USB1.B7@78.632,39.725 78.632,37.827 80.171,36.288 87.342,36.288 J7.3@88.392,37.338
ESP2_RX: R49.1 U1.27 | length 2.8
  Top Layer w0.5: R49.1@70.129,104.41 70.193,104.347 70.193,101.722 U1.27@70.256,101.658
ESP2_TX: R48.2 U1.28 | length 3.1
  Top Layer w0.5: R48.2@68.272,104.41 68.372,104.41 68.986,103.796 U1.28@68.986,101.658
ESP_Boot: Q9.3 SW9.1 U1.25 | length 81
  Top Layer w0.5: SW9.1@73.152,104.521 72.974,104.343 72.974,101.836 U1.25@72.796,101.658 74.872,101.658 v1(76.454,100.076) ; Q9.3@92.638,60.96 v1(93.98,60.96)
  Bottom Layer w0.5: v1(76.454,100.076) 77.343,99.187 77.343,96.266 76.327,95.25 73.914,95.25 62.239,83.575 62.239,80.169 65.056,77.352 84.876,77.352 90.61,71.618 90.61,63.54 91.646,62.504 91.647,62.504 91.855,62.297 92.643,62.297 v1(93.98,60.96)
ESP_DTR: R1.1 U1.30 | length 47.3
  Top Layer w0.5: v1(66.421,103.251) 66.446,103.226 U1.30@66.446,101.658 ; v1(102.371,86.944) 102.448,86.867 103.414,86.867 103.664,86.617 R1.1@103.664,86.614
  Bottom Layer w0.5: v1(66.421,103.251) 66.421,103.759 67.437,104.775 73.152,104.775 90.983,86.944 v1(102.371,86.944)
ESP_EN: C1.1 Q8.3 R11.2 SW8.1 U1.3 | length 58.4
  Top Layer w0.5: U1.3@58.826,84.658 58.826,82.666 59.604,81.888 59.604,81.788 59.604,79.883 59.604,79.529 60.981,78.152 v1(65.388,78.152) ; SW8.1@61.422,75.692 61.422,78.049 ; v1(92.185,63.097) 92.185,63.043 91.581,62.439 91.581,58.211 92.288,57.504 92.538,57.504 Q8.3@92.638,57.404
  Bottom Layer w0.5: v1(65.388,78.152) 65.391,78.149 77.946,78.149 78.043,78.052 85.27,78.052 91.313,72.009 91.313,63.968 v1(92.185,63.097)
ESP_RX: J5.7 U1.34 | length 76.4
  Top Layer w0.5: U1.34@61.366,101.658 61.366,97.638 v1(62.611,96.393)
  Bottom Layer w0.5: v1(62.611,96.393) 61.446,95.228 61.446,79.972 64.767,76.652 84.586,76.652 89.712,71.525 89.712,63.448 91.356,61.804 91.358,61.804 93.472,59.69 101.692,59.69 101.692,59.683 J5.7@101.94,59.436
ESP_TX: J5.8 U1.35 | length 78
  Top Layer w0.5: U1.35@60.096,101.658 60.096,97.326 61.087,96.335 v1(61.087,96.266)
  Bottom Layer w0.5: v1(61.087,96.266) 61.087,96.158 60.746,95.817 60.746,79.682 64.477,75.952 84.296,75.952 88.967,71.281 88.967,63.203 91.066,61.104 91.068,61.104 95.022,57.15 J5.8@102.108,57.15
FT_DTR: Q9.2 R54.1 U4.2 | length 10.7
  Top Layer w0.4: R54.1@86.008,60.965 86.15,60.965 86.412,60.704 86.412,60.562 86.76,60.213 U4.2@86.76,57.983 86.76,56.703 87.018,56.445 88.285,56.445 88.519,56.679 88.519,58.691 89.788,59.96 Q9.2@90.038,59.96
  Top Layer w0.5: R54.1@86.008,60.965 R54.1@86.042,61
FT_RTS: Q8.2 R58.1 U4.3 | length 9.9
  Top Layer w0.4: R58.1@84.264,61 84.534,60.731 84.792,60.731 86.11,59.413 86.11,56.483 86.748,55.845 89.229,55.845 89.788,56.404 Q8.2@90.038,56.404
FT_RX: J5.6 R41.1 | length 34.1
  Top Layer w0.5: R41.1@79.029,63.25 79.029,63.916 80.429,65.316 86.56,65.316 86.736,65.14 v1(92.964,65.14)
  Bottom Layer w0.5: v1(92.964,65.14) 101.611,65.14 105.798,60.953 105.798,58.7 104.648,57.55 J5.6@104.648,57.15
FT_TX: J5.5 R40.1 | length 19.7
  Top Layer w0.5: R40.1@87.82,63 87.92,63 88.17,63.25 88.17,63.35 88.717,63.897 92.948,63.897 v1(92.964,63.881)
  Bottom Layer w0.5: v1(92.964,63.881) 101.727,63.881 104.558,61.05 104.558,59.78 J5.5@104.648,59.69